# Altium PCB pcb_88.PcbDoc (part 1 of 3)
Units mil, origin at the board's own origin, x right, y up, seen from the top; angles counter-clockwise.
Board outline 3464.57 x 3464.57 mil, 4 copper layers (Top Layer, Layer 1, Layer 2, Bottom Layer), stack 61.772 mil thick; 395 components, 296 nets, 1218 pads, 390 vias.
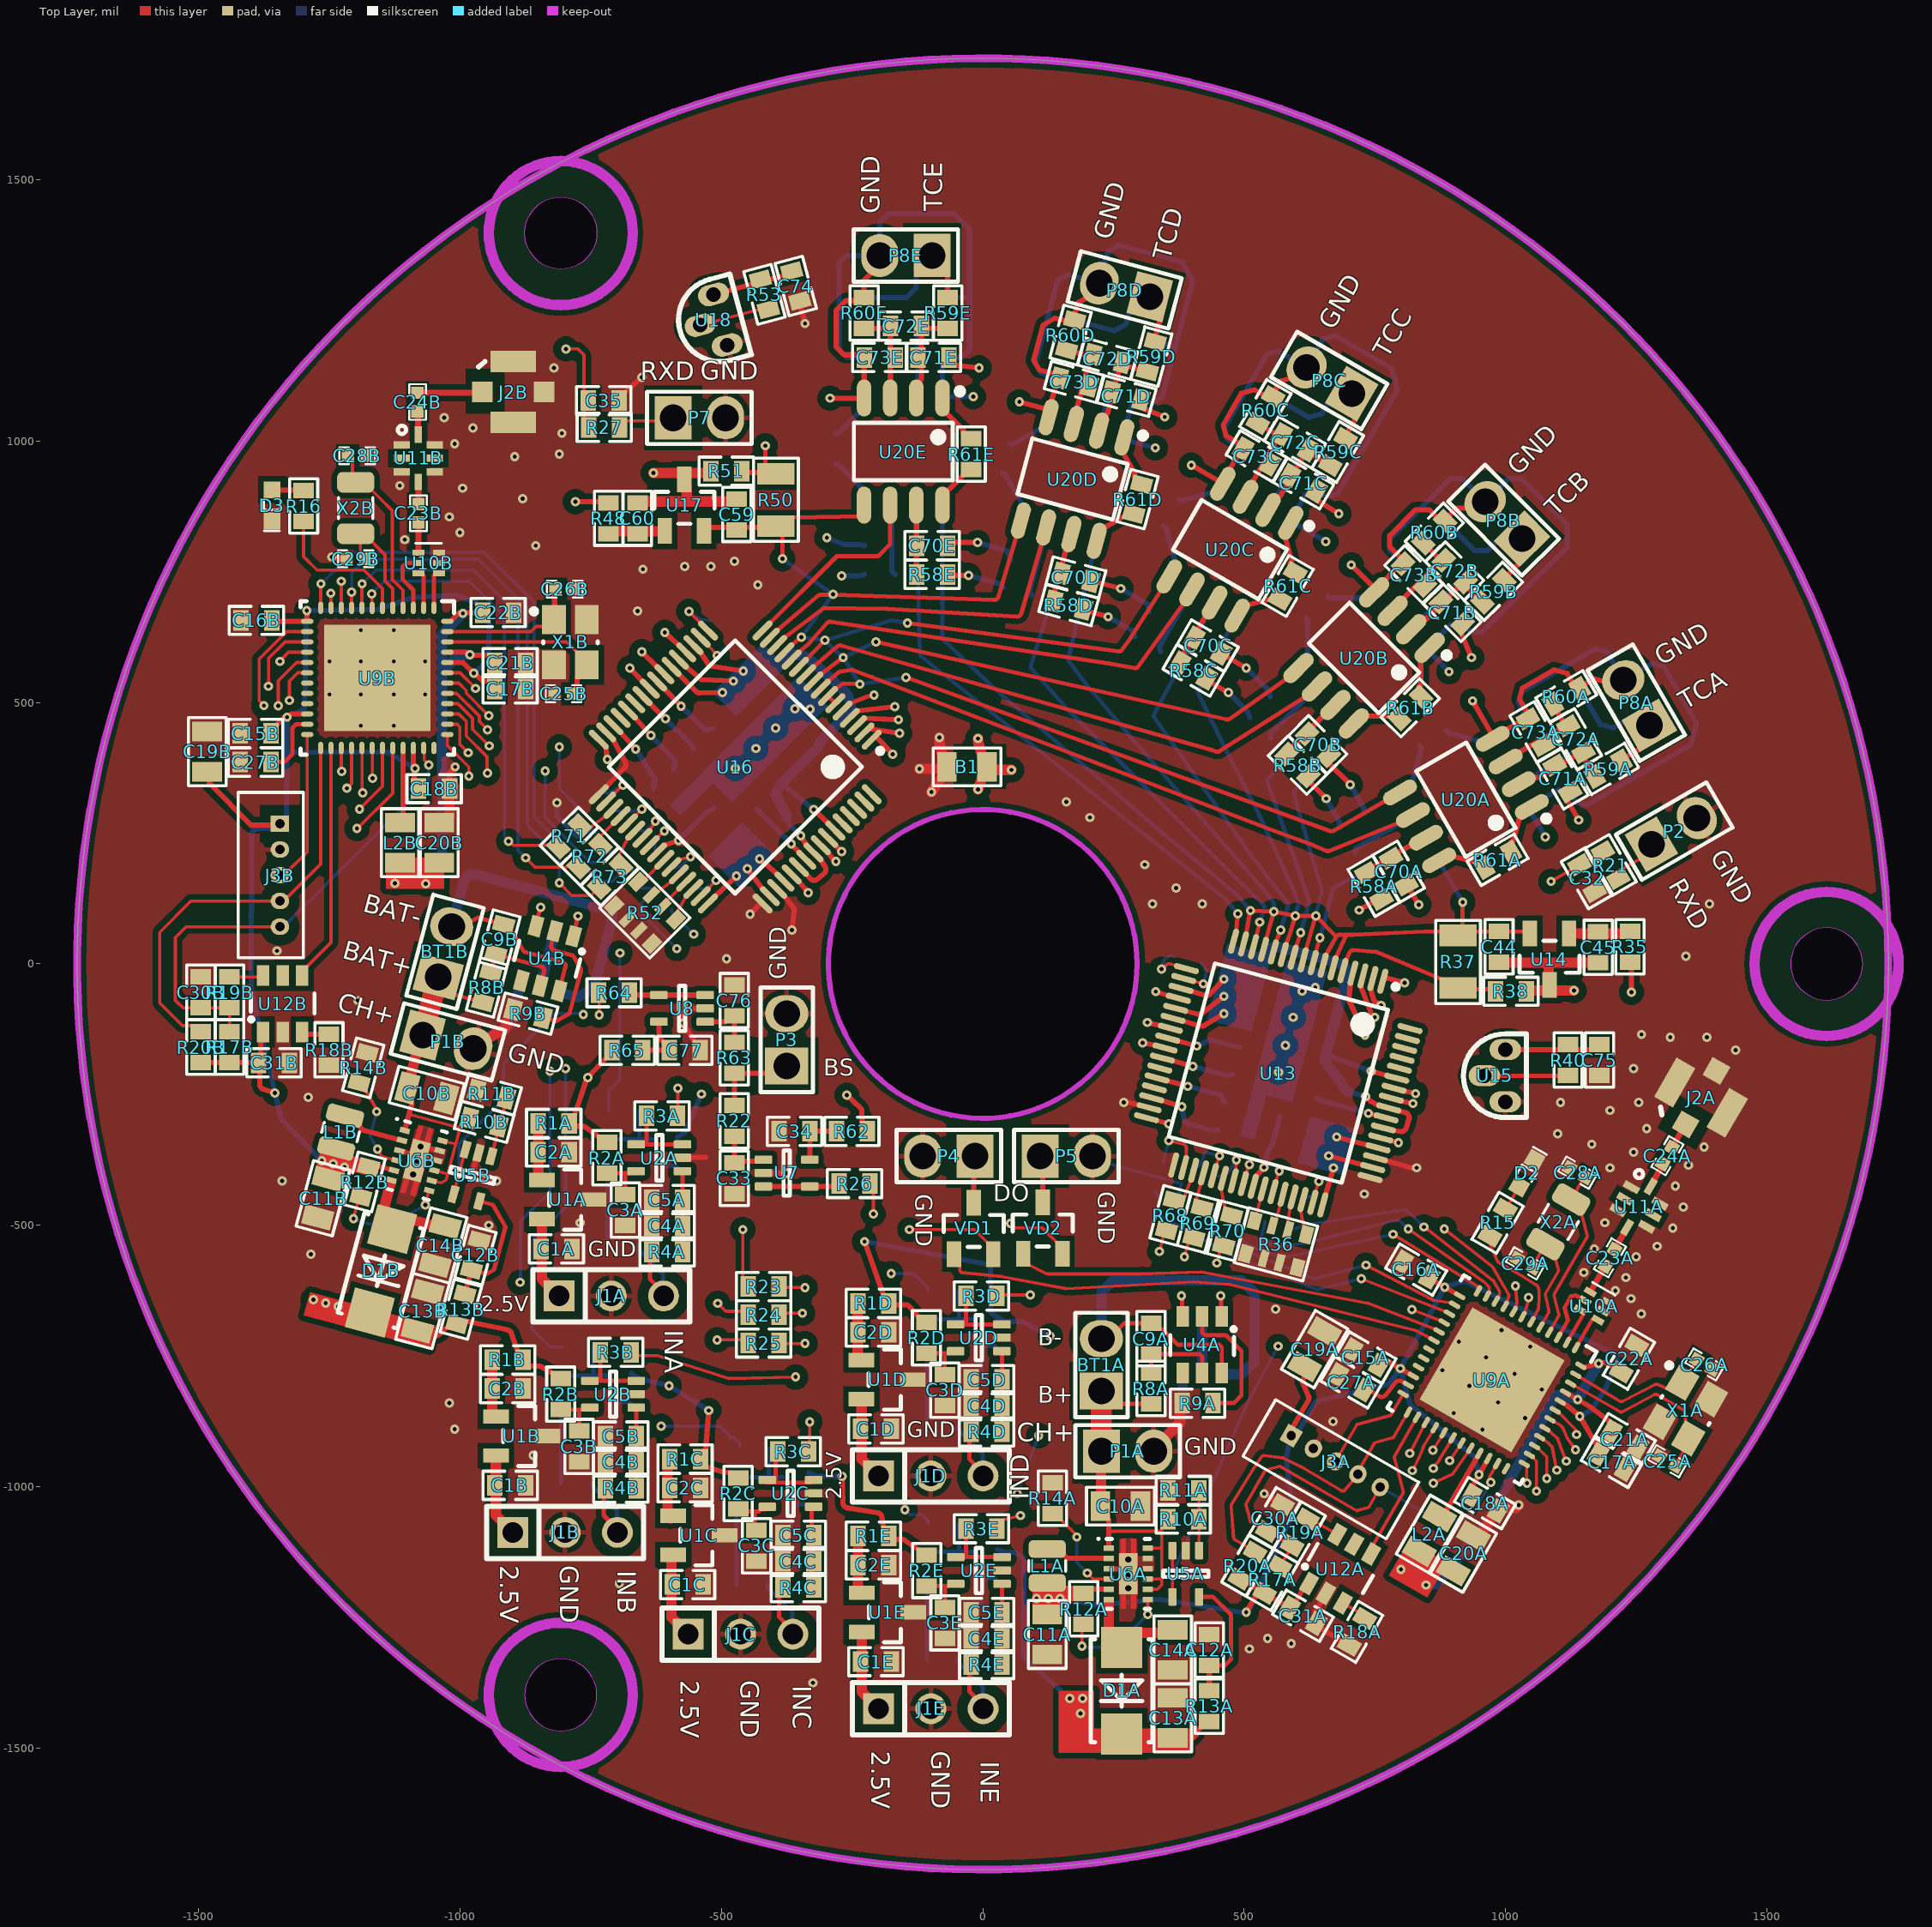
[diagram p0: Top Layer view]
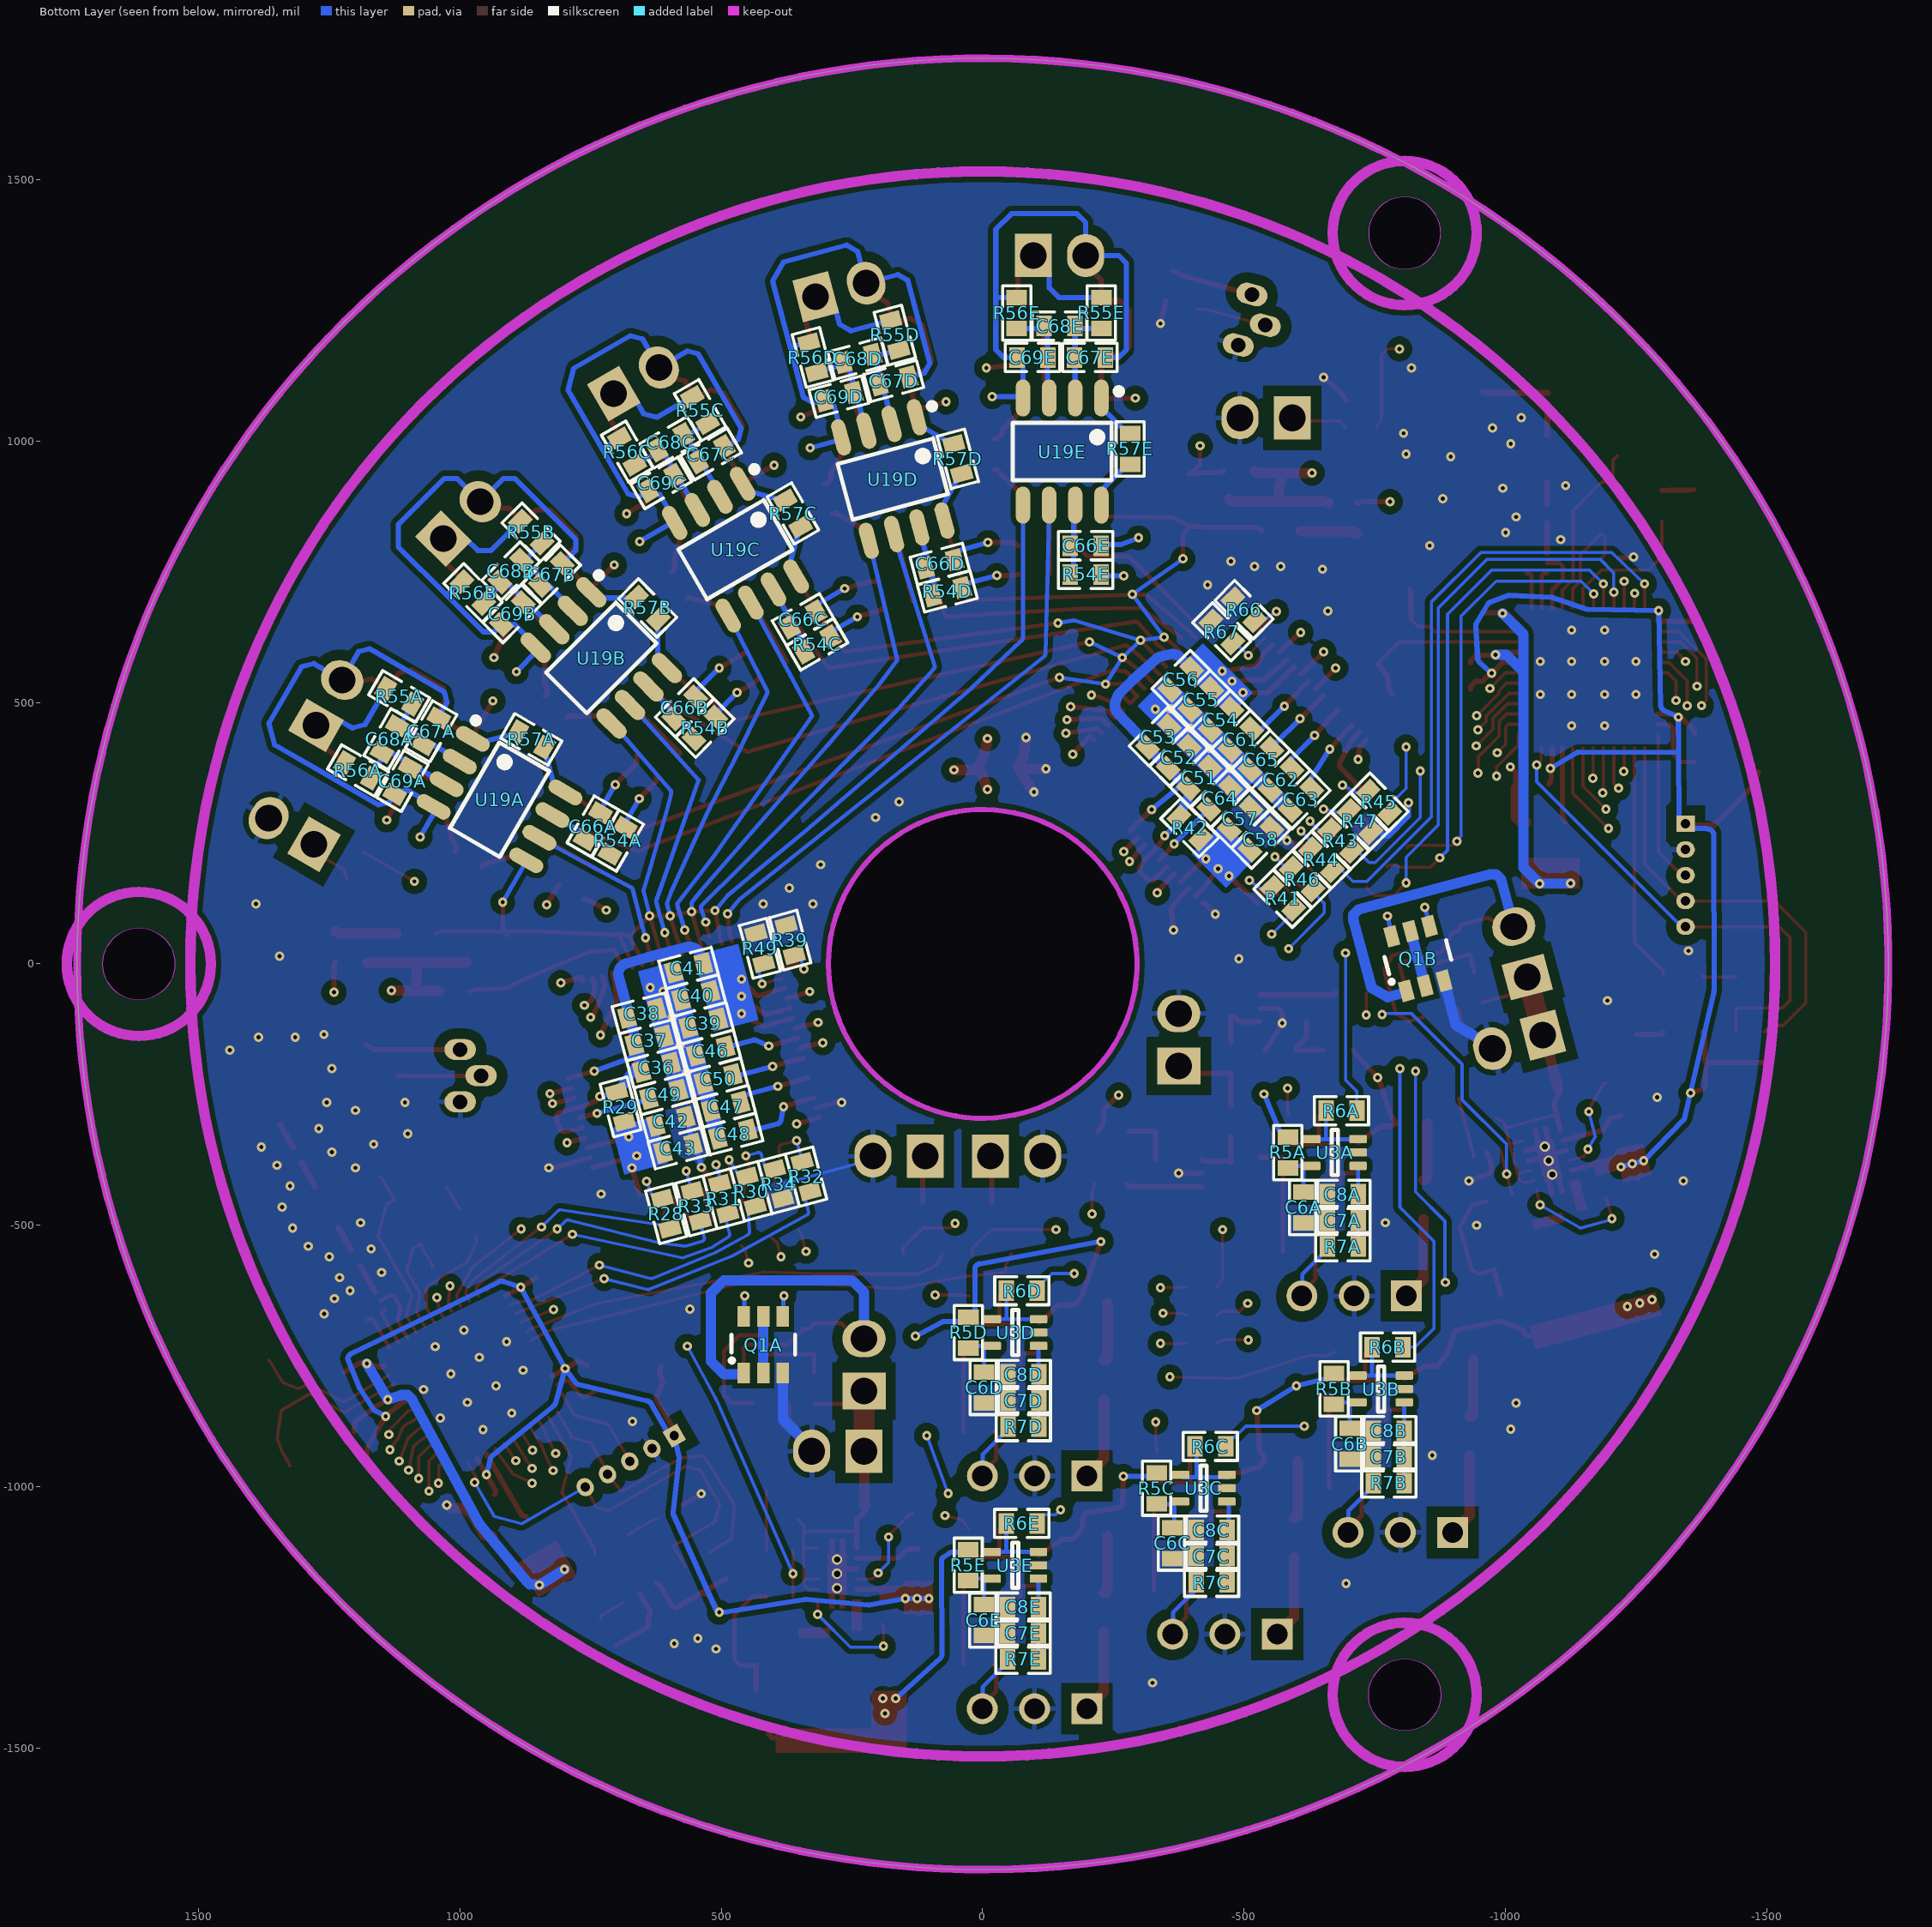
[diagram p1: Bottom Layer view, seen from below]
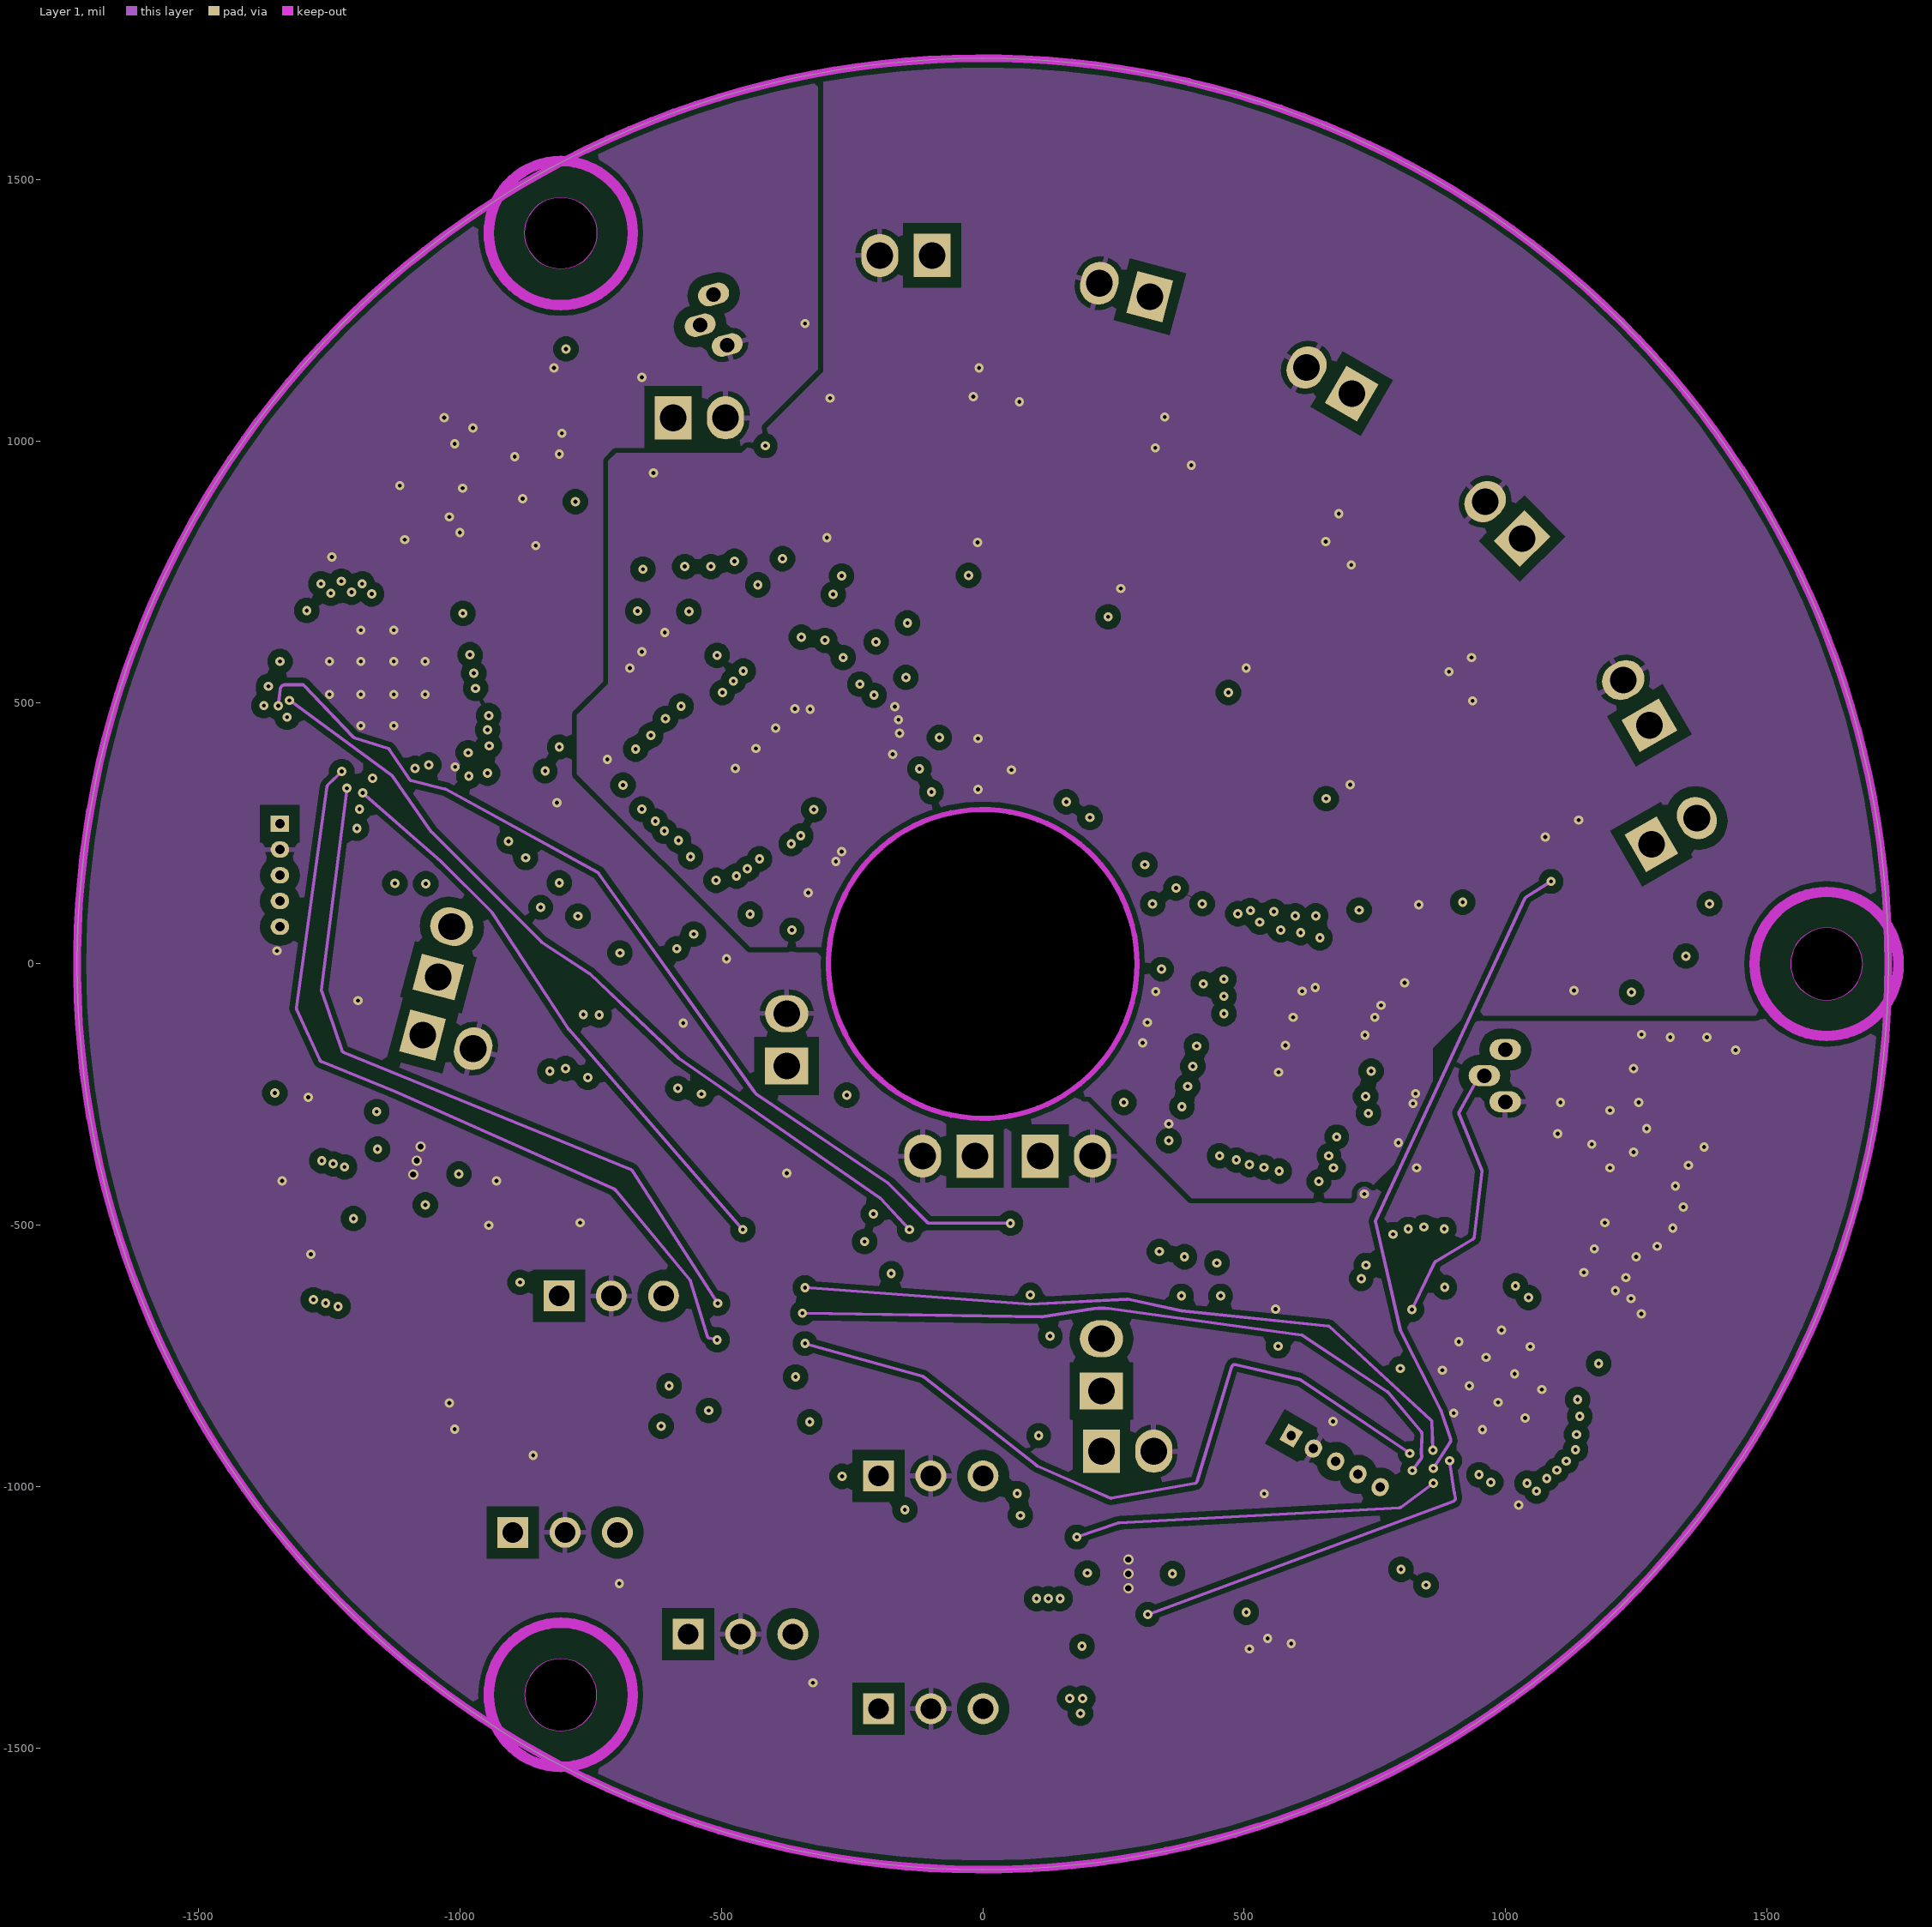
[diagram p2: Layer 1]